# Altium PCB mainBord_real.PcbDoc
Units mil, origin at the board's own origin, x right, y up, seen from the top; angles counter-clockwise.
Board outline 5905.51 x 3937.01 mil, 2 copper layers (Top Layer, Bottom Layer); 93 components, 76 nets, 407 pads, 363 vias.
Unrouted connection lines stored in the file: 1.
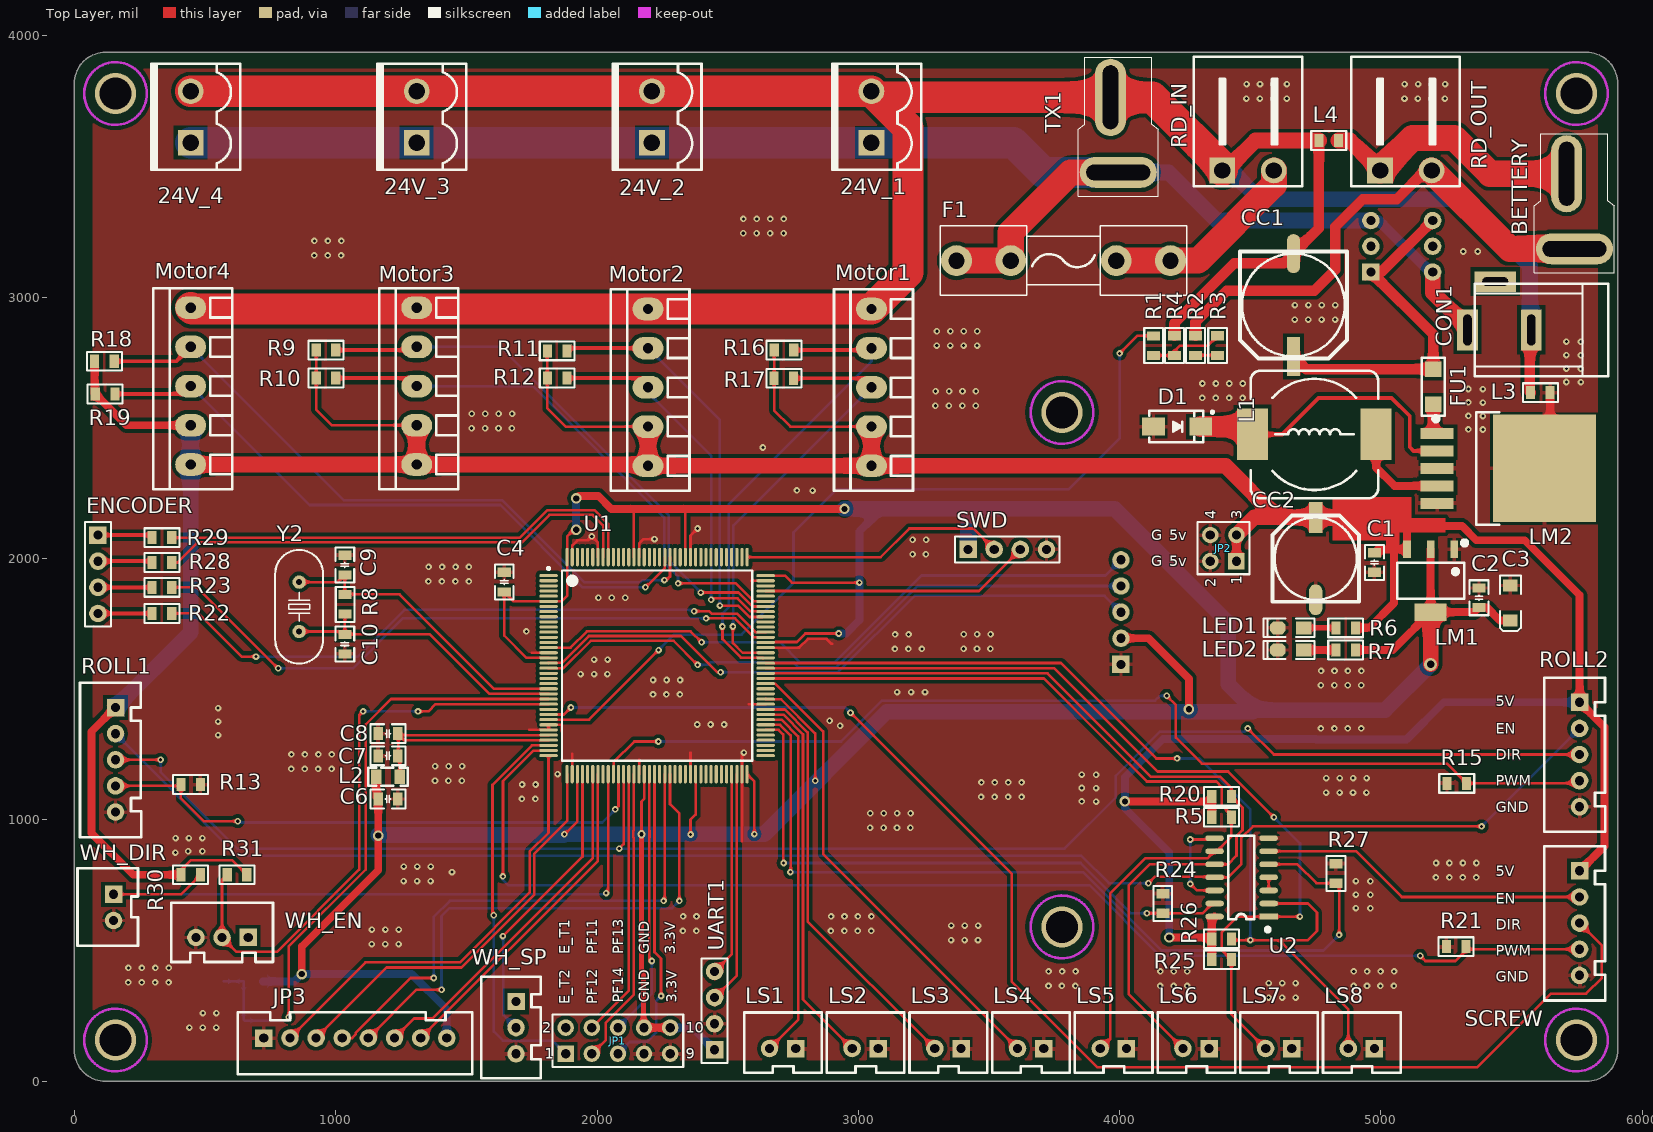
[diagram p0: Top Layer view]
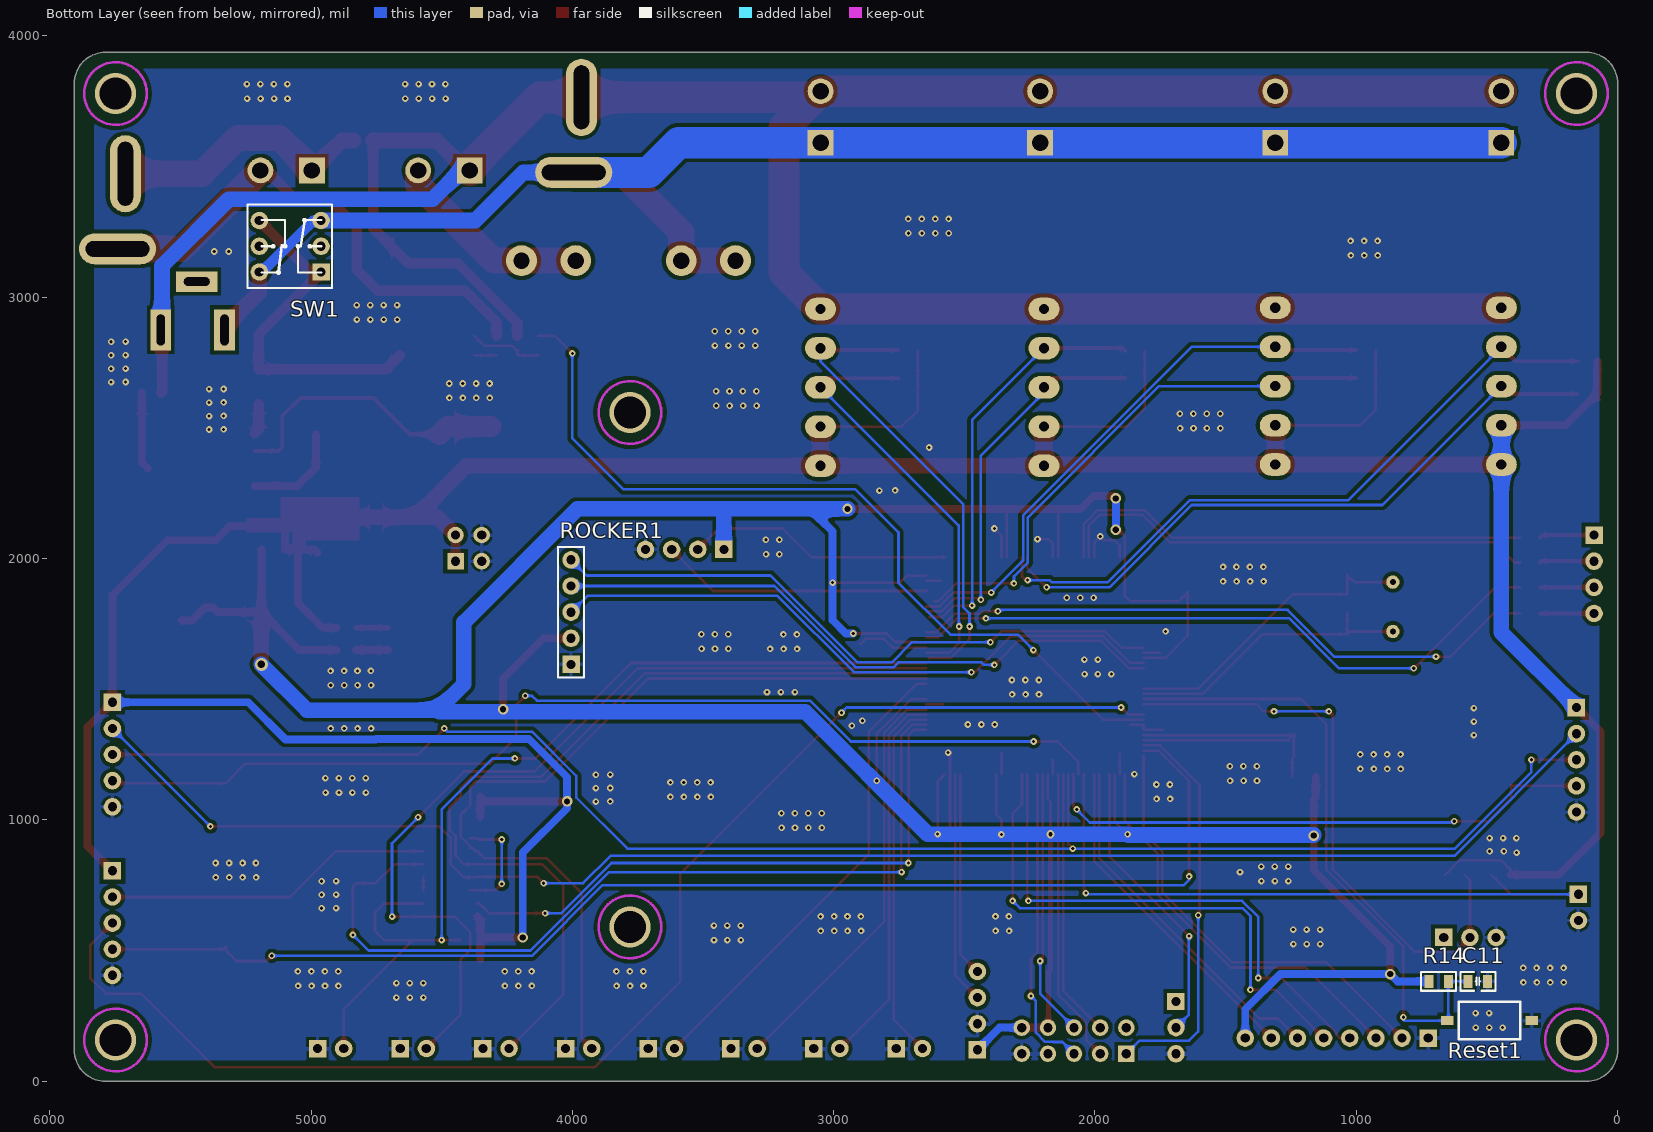
[diagram p1: Bottom Layer view, seen from below]

## Layer stack, top to bottom
Top Solder: solder mask 0.4, Solder Resist, Dk 3.5
Top Layer: signal copper 1.4
Dielectric 1: dielectric 12.6, FR-4, Dk 4.8
Bottom Layer: signal copper 1.4
Bottom Solder: solder mask 0.4, Solder Resist, Dk 3.5

## Board outline
118.11,0 cw(c118.11,118.11) 0,118.11 0,3818.9 cw(c118.11,3818.9) 118.11,3937.01 5787.4,3937.01 cw(c5787.4,3818.9) 5905.51,3818.9 5905.51,118.11 cw(c5787.4,118.11) 5787.4,0

## Design rules (kind name [scope] priority, off if disabled: settings)
Clearance Clearance_1 [InNet('GND')] p1: gap=15 ignorepadtopadclearanceinfootprint=TRUE except(0: Arc-Hole Track-Hole SMDPad-Hole THPad-Hole Via-Hole Fill-Hole Poly-Hole Region-Hole Text-Hole; 8: Arc-Arc Arc-Track Arc-SMDPad Track-Track Track-SMDPad; 10: Arc-THPad Arc-Text Track-THPad Track-Text SMDPad-SMDPad SMDPad-THPad SMDPad-Via SMDPad-Text THPad-THPad THPad-Via THPad-Text Via-Via Via-Text Fill-Text Poly-Text Region-Text Text-Text)
Clearance [All] p2: gap=10 ignorepadtopadclearanceinfootprint=TRUE except(0: Arc-Hole Track-Hole SMDPad-Hole THPad-Hole Via-Hole Fill-Hole Poly-Hole Region-Hole Text-Hole; 8: Arc-Arc Arc-Track Arc-SMDPad Track-Track Track-SMDPad; 15: Arc-Fill Arc-Poly Arc-Region Track-Fill Track-Poly Track-Region)
HoleSize [All] p1: absolutevalues=TRUE maxlimit=200 minlimit=1 maxpercent=80.000 minpercent=20.000
MinimumSolderMaskSliver [All] p1: minsoldermaskwidth=7
PolygonConnect [All] p1: thpad.connectstyle=Relief thpad.reliefconductorwidth=15 thpad.reliefentries=4 thpad.polygonreliefangle="90 Angle" thpad.airgapwidth=10 smdpad.connectstyle=Relief smdpad.reliefconductorwidth=15 smdpad.reliefentries=4 smdpad.polygonreliefangle="90 Angle" smdpad.airgapwidth=10 via.connectstyle=Direct via.reliefconductorwidth=10 via.reliefentries=4 via.polygonreliefangle="90 Angle" via.airgapwidth=10
RoomDefinition mainBord_real [InComponentClass('mainBord_real')] p1 off: confinementstyle=ConfineIn formatcopy=TRUE lockcomponents=FALSE outline 6820,57.6 13595,57.6 13595,3285 6820,3285
RoutingVias [All] p1: holewidth=12 width=25 viastyle="Through Hole" minholewidth=8 minwidth=20 maxholewidth=24 maxwidth=40
SilkToSilkClearance [All] p1 off: silktosilkclearance=10
SilkToSolderMaskClearance [IsPad] p1 off: minsilkscreentomaskgap=10 clearancetoexposedcopper=TRUE
SolderMaskExpansion [All] p1: expansion=4
Width High_P [InNetClass('High_Power')] p1: maxlimit=120 minlimit=40 preferedwidth=80 minimp=50.000000 maximp=50.000000 favimp=50.000000
Width 3.3V [InNetClass('Low_Power')] p2: maxlimit=60 minlimit=10 preferedwidth=30 minimp=50.000000 maximp=50.000000 favimp=50.000000
Width [All] p3: maxlimit=80 minlimit=10 preferedwidth=15 minimp=50.000000 maximp=50.000000 favimp=50.000000
26 further rules are at their usual default settings.

## Classes and differential pairs
net class Low_Power: 3.3V 5V GND
net class High_Power: 24V NetF1_1 PGND VIN+ VIN- VIN_24
polygon class PolygonClass_1: GND_L02_P007

## Components (designator, comment, footprint, x,y, rotation, side; value= is the part's Value field where it differs from the comment)
24V_1 "HDR-1X2" KF2EDGK5.0-LI-2P 3050,3690 r90 top
24V_2 "HDR-1X2" KF2EDGK5.0-LI-2P 1310,3690 r90 top
24V_3 "HDR-1X2" KF2EDGK5.0-LI-2P 2210,3690 r90 top
24V_4 "HDR-1X2" KF2EDGK5.0-LI-2P 445,3690 r90 top
BETTERY "TX" TX 5612.05,3625.94 r0 top
C1 "100nf" "C 0805_L" 4975,1985 r270 top value=100nF
C2 "100nf" "C 0805_L" 5375,1850 r90 top value=100nF
C3 "10uf" "CD A(3216)" 5495,1830 r90 top value=10uF
C4 "100nf" "C 0805_L" 1645,1910 r270 top value=100nF
C6 "100nf" "C 0805_L" 1200,1080 r0 top value=100pF
C7 "100nf" "C 0805_L" 1200,1330 r180 top value=100nF
C8 "100nf" "C 0805_L" 1200,1245 r180 top value=100nF
C9 "22pf" "C 0805_L" 1035,1975 r270 top value=22pF
C10 "22pf" "C 0805_L" 1035,1672.4 r90 top value=22pF
C11 "100nf" "C 0805_L" 535,382 r0 bottom value=100nF
CC1 "680uf" "CM F(10*10.2)" 4665,2970 r270 top
CC2 "220uf" "CM E(8*10.2)" 4750,2000 r90 top
CON1 "5.5*2.1" DC-005 5575,2875 r0 top
D1 "SS14" SMA 4220,2505 r0 top
ENCODER "HDR-1X4" HDR2.54-LI-4P 90,1940 r270 top
F1 "5x20/2A" "FU 5x20" 3785,3140 r180 top
FU1 "200mA" "R 1206-HP_M" 5200,2657.5 r270 top
JP1 "Header 5X2" HDR2.54-LI-2x5P 2080,155 r0 top
JP2 "Header2X2" HDR2.54-LI-2x2P 4396.99,2040 r90 top
JP3 "HDR-1X8" XH2.54-LI-8P 1075,165 r0 top
L1 "Inductor" CDRH125 4745,2475 r0 top value=33uH
L2 "Inductor" "L 0805" 1200,1165 r0 top value=4.7uH
L3 "1K" "R 0805_L" 5610,2635 r180 top value=0R
L4 "1K" "R 0805_L" 4800,3600 r0 top value=0R
LED1 "LED2" "LED 0805B" 4655,1735 r180 top
LED2 "LED2" "LED 0805B" 4655,1650 r180 top
LM1 "AMS1117-3V3" SOT223_L 5190,1915 r180 top
LM2 "LM2596-5.0V" TO263-5A 5215,2345 r270 top
LS1 "HDR-1X2" XH2.54-LI-2P 2710,125 r180 top
LS2 "HDR-1X2" XH2.54-LI-2P 3026.43,125 r180 top
LS3 "HDR-1X2" XH2.54-LI-2P 3342.86,125 r180 top
LS4 "HDR-1X2" XH2.54-LI-2P 3659.29,125 r180 top
LS5 "HDR-1X2" XH2.54-LI-2P 3975.71,125 r180 top
LS6 "HDR-1X2" XH2.54-LI-2P 4292.14,125 r180 top
LS7 "HDR-1X2" XH2.54-LI-2P 4608.57,125 r180 top
LS8 "HDR-1X2" XH2.54-LI-2P 4925,125 r180 top
Motor1 "HDR-1X5" KF128-3.81-5P 3050,2655 r90 top
Motor2 "HDR-1X5" KF128-3.81-5P 2195,2655 r90 top
Motor3 "HDR-1X5" KF128-3.81-5P 1310,2660 r90 top
Motor4 "HDR-1X5" KF128-3.81-5P 445,2660 r90 top
R1 "1K" "R 0805_L" 4130,2814.72 r270 top value=100R
R2 "1K" "R 0805_L" 4290,2815 r90 top value=51K
R3 "1K" "R 0805_L" 4375,2815 r270 top value=5K
R4 "1K" "R 0805_L" 4210,2815 r270 top value=8.2K
R5 "5K" "R 0805_L" 4390,1010 r180 top value=10K
R6 "1K" "R 0805_L" 4865,1735 r0 top
R7 "1K" "R 0805_L" 4865,1650 r0 top
R8 "1M" "R 0805_L" 1036.15,1824.8 r90 top
R9 "1K" "R 0805_L" 962.87,2797.4 r180 top value=10K
R10 "1K" "R 0805_L" 962.87,2690.53 r180 top value=10K
R11 "1K" "R 0805_L" 1847.6,2795 r180 top value=10K
R12 "1K" "R 0805_L" 1847.6,2690.53 r180 top value=10K
R13 "1K" "R 0805_L" 445,1135 r0 top value=10K
R14 "1K" "R 0805_L" 685,382 r0 bottom value=10K
R15 "1K" "R 0805_L" 5290,1140 r180 top value=10K
R16 "1K" "R 0805_L" 2715.47,2797.4 r180 top value=10K
R17 "1K" "R 0805_L" 2714.93,2690 r180 top value=10K
R18 "1K" "R 0805_L" 115,2755 r180 top value=10K
R19 "1K" "R 0805_L" 117.4,2630 r180 top value=10K
R20 "5K" "R 0805_L" 4390,1090 r0 top value=10K
R21 "1K" "R 0805_L" 5287.4,515 r180 top value=10K
R22 "1K" "R 0805_L" 335,1790 r0 top value=10R
R23 "1K" "R 0805_L" 335,1890 r0 top value=10R
R24 "1K" "R 0805_L" 4165,680 r270 top value=10K
R25 "5K" "R 0805_L" 4390,465 r180 top value=10K
R26 "5K" "R 0805_L" 4390,545 r0 top value=10K
R27 "1K" "R 0805_L" 4827.6,795 r270 top value=10K
R28 "1K" "R 0805_L" 335,1985 r0 top value=10R
R29 "1K" "R 0805_L" 335,2080 r0 top value=10R
R30 "1K" "R 0805_L" 445,790 r180 top value=10K
R31 "1K" "R 0805_L" 622.4,790 r0 top value=10K
RD_IN "HDR-1X2" KF2EDGK5.0-WI-2P 4491.5,3485 r0 top
RD_OUT "HDR-1X2" KF2EDGK5.0-WI-2P 5095,3485 r0 top
Reset1 "SW-PB" switch_1 490,232 r180 bottom
ROCKER1 "RK" HDR2.54-M-LI-5P 4005,1795 r90 bottom
ROLL1 "HDR-1X5" XH2.54-LI-5P 157.48,1230 r270 top
ROLL2 "HDR-1X5" XH2.54-LI-5P 5760,1250 r270 top
SCREW "HDR-1X5" XH2.54-LI-5P 5760,605 r270 top
SW1 "KET 8X8" "KFT DIP-8X8" 5079.55,3195 r90 bottom
SWD "HDR-1X4" HDR2.54-LI-4P 3570,2035 r0 top
TX1 "TX" TX 3866.57,3918.54 r0 top
U1 "STM32F103ZET6" STM-LQFP144_N 2229.84,1590.35 r0 top
U2 "74HC08" SOP14_N 4466.74,780 r180 top
UART1 "Header 4" HDR2.54-LI-4P 2450,270 r90 top
WH_DIR "HDR-1X2" XH2.54-LI-2P 150,665 r270 top
WH_EN "HDR-1X3" XH2.54-LI-3P 565,550 r180 top
WH_SP "HDR-1X3" XH2.54-LI-3P 1690,205 r270 top
Y2 "XTAL" "OSC HC-49S" 860,1815.51 r90 top

## Footprints (in the part's own frame and the unit in brackets; to place one, negate y for a bottom-side part, rotate by r counter-clockwise, add the part's x,y. Pads: shape width x height; smd on the part's side, far side on the other; paste and mask are expansions set on the pad)
"C 0805_L" [mil] "无极性贴片电容"
  rect 35x50 smd: 1(-37.4,0) 2(37.4,0)
  silkscreen extent -67,-36 67,36, body extent -39,-24 39,24, height 20
"CD A(3216)" [mm] "长3.2mm，宽1.6mm，厚1.6mm"
  rect 1.2x1.4 smd: 1(-1.7,0) 2(1.7,0)
  silkscreen extent -2.74,-1.02 2.67,1.02, body extent -1.6,-0.8 1.6,0.8, height 1.6
CDRH125 [mm] "12*12*5mm（长宽高）"
  rect 3x5 smd: 1(-6,0) 2(6,0)
  silkscreen extent -6.2,-6.2 6.2,6.2, body extent -6,-6 6,6, height 5.05
"CM E(8*10.2)" [mm] "贴片电解电容，直径8mm，高10.2mm"
  rect 3x1.3 smd: 1(4,0)
  oval 3x1.3 smd: 2(-4,0)
  silkscreen extent -4.2,-4.2 4.2,4.2, body extent -4.5,-4.15 4.5,4.15, height 10.2
"CM F(10*10.2)" [mm] "贴片电解电容，直径10mm，高10.2mm"
  rect 3.8x1.3 smd: 1(5,0)
  oval 3.8x1.3 smd: 2(-5,0)
  silkscreen extent -5.2,-5.2 5.2,5.2, body extent -5.8,-5.15 5.8,5.15, height 10.2
DC-005 [mm] "5.5*2.1mm，DC30V,2.5A"
  rect 2x4 hole 0.8 slot 3 at 90 deg: 1(-6.2,0) 2(0,0)
  rect 4x2 hole 0.8 slot 2.5 at 0 deg: 3(-3.5,4.7)
  silkscreen extent -5.48,-4.5 7.5,4.5, body extent -6.55,-4.5 7.5,4.8, height 11.2
"FU 5x20" [mm] "5*20保险管底座夹子"
  round 3 hole 1.6: 1(-10.4,0) 1(-5.13,0) 2(5.13,0) 2(10.4,0)
  silkscreen extent -12,-3.38 12,3.38, body extent -10.8,-3.15 10.8,3.15, height 9.77
HDR2.54-LI-2x2P [mm] "双排排针，2x2脚"
  rect 1.6x1.6 hole 0.9: 1(-1.27,-1.27)
  round 1.6 hole 0.9: 2(-1.27,1.27) 3(1.27,-1.27) 4(1.27,1.27)
  silkscreen extent -2.54,-2.54 2.54,2.54, body extent -2.54,-2.54 2.54,2.54, height 8.5
HDR2.54-LI-2x5P [mm] "双排排针，5x2脚"
  rect 1.6x1.6 hole 0.9: 1(-5.08,-1.27)
  round 1.6 hole 0.9: 2(-5.08,1.27) 3(-2.54,-1.27) 4(-2.54,1.27) 5(0,-1.27) 6(0,1.27) 7(2.54,-1.27) 8(2.54,1.27) 9(5.08,-1.27) 10(5.08,1.27)
  silkscreen extent -6.35,-2.54 6.35,2.54, body extent -6.35,-2.54 6.35,2.54, height 8.5
HDR2.54-LI-4P [mm] "排针，4脚"
  rect 1.7x1.7 hole 0.9: 1(-3.81,0)
  round 1.7 hole 0.9: 2(-1.27,0) 3(1.27,0) 4(3.81,0)
  silkscreen extent -5.08,-1.27 5.08,1.27, body extent -5.08,-1.27 5.08,1.27, height 8.5
HDR2.54-M-LI-5P [mm] "排母，5脚"
  rect 1.7x1.7 hole 0.9: 1(-5.08,0)
  round 1.7 hole 0.9: 2(-2.54,0) 3(0,0) 4(2.54,0) 5(5.08,0)
  silkscreen extent -6.35,-1.27 6.35,1.27, body extent -6.35,-1.27 6.35,1.27, height 8.5
KF2EDGK5.0-LI-2P [mm] "立插端子"
  rect 2.5x2.5 hole 1.6: 1(-2.5,0)
  round 2.5 hole 1.6: 2(2.5,0)
  silkscreen extent -5.12,-4.83 5.17,3.81, body extent -5.04,-4.75 5.04,3.75, height 11.25
KF2EDGK5.0-WI-2P [mm] "卧插端子"
  rect 2.5x2.5 hole 1.6: 1(-2.5,0)
  round 2.5 hole 1.6: 2(2.5,0)
  silkscreen extent -5.29,-1.52 5.25,11.05, body extent -5.04,-0.5 5.04,10.8, height 8.5
KF128-3.81-5P [mm] "螺钉式接线端子，脚距3.81mm"
  oval 2.2x3 hole 1: 1(-7.62,0) 2(-3.81,0) 3(0,0) 4(3.81,0) 5(7.62,0)
  silkscreen extent -10.03,-4.04 9.53,3.63, body extent -10.02,-3.9 9.53,3.5, height 8.55
"KFT DIP-8X8" [mm] "自锁开关，规格：8*8mm"
  rect 1.7x1.7 hole 0.9: 1(-2.5,-3)
  round 1.7 hole 0.9: 2(0,-3) 3(2.5,-3) 4(2.5,3) 5(0,3) 6(-2.5,3)
  silkscreen extent -4.06,-4.06 4.06,4.15, body extent -3.95,-3.95 4.05,4.05, height 13.1
"L 0805" [mil] "小功率贴片电感"
  rect 40x55 smd: 1(-45,0) 2(45,0)
  silkscreen extent -75,-35 75,35, body extent -39,-24 39,24, height 35
"LED 0805B" [mil] "蓝色0805LED"
  rect 60x50 smd: 1(-50,0)
  oct 60x50 smd: 2(50,0)
  silkscreen extent -90,-35 105,35, body extent -39,-25 39,25, height 32
"OSC HC-49S" [mm]
  round 1.3 hole 0.6: 1(-2.4,0) 2(2.4,0)
  silkscreen extent -5.52,-2.32 5.52,2.33, body extent -5.52,-2.32 5.53,2.33, height 4.13
"R 0805_L" [mil] "1/8W贴片电阻"
  rect 35x50 smd: 1(-37.4,0) 2(37.4,0)
  silkscreen extent -67,-36 67,36, body extent -39,-25 39,25, height 20
"R 1206-HP_M" [mil] "1/4W高精度贴片电阻"
  rect 60x62.99 smd: 1(-67.5,0) 2(67.5,0)
  silkscreen extent -112,-44 112,44, body extent -63,-31 63,32, height 22
SMA [mm] "4.5x2.6*2.2mm（长宽高，不包括引脚）"
  rect 2.2x1.75 smd: 1(-2.3,0) 2(2.3,0)
  silkscreen extent -2.7,-1.52 3.56,1.52, body extent -2.53,-1.3 2.58,1.3, height 2.15
SOP14_N [mm] "8.7*6.2*1.8mm（长宽高）"
  rect 1.8x0.55 smd: 1(-2.625,3.81)
  oval 1.8x0.55 smd: 2(-2.625,2.54) 3(-2.625,1.27) 4(-2.625,0) 5(-2.625,-1.27) 6(-2.625,-2.54) 7(-2.625,-3.81) 8(2.625,-3.81) 9(2.625,-2.54) 10(2.625,-1.27) 11(2.625,0) 12(2.625,1.27) 13(2.625,2.54) 14(2.625,3.81)
  silkscreen extent -2.67,-4.06 1.31,5.21, body extent -3,-4.35 3,4.35, height 1.9
SOT223_L [mm] "6.4x7x1.6mm(长宽高)"
  rect 0.75x1.7 smd: 1(-2.3,-3.048) 2(0,-3.048) 3(2.3,-3.048)
  rect 3.1x1.7 smd: 2(0,3.048)
  silkscreen extent -3.5,-3.88 3.25,1.75, body extent -3.25,-3.51 3.25,3.51, height 1.65
STM-LQFP144_N [mm] "Thin QFP, 144-Leads, Body 20x20mm, Pitch 0.5mm, IPC Medium Density"
  oval 1.8x0.3 smd: 1(-10.55,8.75) 2(-10.55,8.25) 3(-10.55,7.75) 4(-10.55,7.25) 5(-10.55,6.75) 6(-10.55,6.25) 7(-10.55,5.75) 8(-10.55,5.25) 9(-10.55,4.75) 10(-10.55,4.25) 11(-10.55,3.75) 12(-10.55,3.25) 13(-10.55,2.75) 14(-10.55,2.25) 15(-10.55,1.75) 16(-10.55,1.25) 17(-10.55,0.75) 18(-10.55,0.25) 19(-10.55,-0.25) 20(-10.55,-0.75) 21(-10.55,-1.25) 22(-10.55,-1.75) 23(-10.55,-2.25) 24(-10.55,-2.75) 25(-10.55,-3.25) 26(-10.55,-3.75) 27(-10.55,-4.25) 28(-10.55,-4.75) 29(-10.55,-5.25) 30(-10.55,-5.75) 31(-10.55,-6.25) 32(-10.55,-6.75) 33(-10.55,-7.25) 34(-10.55,-7.75) 35(-10.55,-8.25) 36(-10.55,-8.75) 73(10.55,-8.75) 74(10.55,-8.25) 75(10.55,-7.75) 76(10.55,-7.25) 77(10.55,-6.75) 78(10.55,-6.25) 79(10.55,-5.75) 80(10.55,-5.25) 81(10.55,-4.75) 82(10.55,-4.25) 83(10.55,-3.75) 84(10.55,-3.25) 85(10.55,-2.75) 86(10.55,-2.25) 87(10.55,-1.75) 88(10.55,-1.25) 89(10.55,-0.75) 90(10.55,-0.25) 91(10.55,0.25) 92(10.55,0.75) 93(10.55,1.25) 94(10.55,1.75) 95(10.55,2.25) 96(10.55,2.75) 97(10.55,3.25) 98(10.55,3.75) 99(10.55,4.25) 100(10.55,4.75) 101(10.55,5.25) 102(10.55,5.75) 103(10.55,6.25) 104(10.55,6.75) 105(10.55,7.25) 106(10.55,7.75) 107(10.55,8.25) 108(10.55,8.75)
  oval 0.3x1.8 smd: 37(-8.75,-10.55) 38(-8.25,-10.55) 39(-7.75,-10.55) 40(-7.25,-10.55) 41(-6.75,-10.55) 42(-6.25,-10.55) 43(-5.75,-10.55) 44(-5.25,-10.55) 45(-4.75,-10.55) 46(-4.25,-10.55) 47(-3.75,-10.55) 48(-3.25,-10.55) 49(-2.75,-10.55) 50(-2.25,-10.55) 51(-1.75,-10.55) 52(-1.25,-10.55) 53(-0.75,-10.55) 54(-0.25,-10.55) 55(0.25,-10.55) 56(0.75,-10.55) 57(1.25,-10.55) 58(1.75,-10.55) 59(2.25,-10.55) 60(2.75,-10.55) 61(3.25,-10.55) 62(3.75,-10.55) 63(4.25,-10.55) 64(4.75,-10.55) 65(5.25,-10.55) 66(5.75,-10.55) 67(6.25,-10.55) 68(6.75,-10.55) 69(7.25,-10.55) 70(7.75,-10.55) 71(8.25,-10.55) 72(8.75,-10.55) 109(8.75,10.55) 110(8.25,10.55) 111(7.75,10.55) 112(7.25,10.55) 113(6.75,10.55) 114(6.25,10.55) 115(5.75,10.55) 116(5.25,10.55) 117(4.75,10.55) 118(4.25,10.55) 119(3.75,10.55) 120(3.25,10.55) 121(2.75,10.55) 122(2.25,10.55) 123(1.75,10.55) 124(1.25,10.55) 125(0.75,10.55) 126(0.25,10.55) 127(-0.25,10.55) 128(-0.75,10.55) 129(-1.25,10.55) 130(-1.75,10.55) 131(-2.25,10.55) 132(-2.75,10.55) 133(-3.25,10.55) 134(-3.75,10.55) 135(-4.25,10.55) 136(-4.75,10.55) 137(-5.25,10.55) 138(-5.75,10.55) 139(-6.25,10.55) 140(-6.75,10.55) 141(-7.25,10.55) 142(-7.75,10.55) 143(-8.25,10.55) 144(-8.75,10.55)
  silkscreen extent -10.67,-9.25 9.25,9.57, body extent -10,-10 10,10, height 1.6
switch_1 [mm]
  rect 1.2x0.9 smd: 1(-4.1,0) 2(4.1,0)
  silkscreen extent -3,-1.8 3,1.82
TO263-5A [mm] "263，5脚晶体管"
  rect 1.05x3.2 smd: 1(-3.4,0) 2(-1.7,0) 3(0,0) 4(1.7,0) 5(3.4,0)
  rect 10.45x10 smd: 3(0,10.414)
  silkscreen extent -5.46,-0.33 5.46,6.04, body extent -5,-0.01 5,13.32, height 4.5
TX [mm] "T型接头"
  oval 3x7.5 hole 1.5 slot 6.2 at 90 deg: 1(2.5,-3.9)
  oval 7.5x3 hole 1.5 slot 6.2 at 0 deg: 2(3.25,-11.2)
  silkscreen extent -0.65,-13.5 7.15,0, body extent -0.55,-13.4 7.05,-0.1, height 10.2
XH2.54-LI-2P [mm] "接插件，2P"
  rect 1.7x1.7 hole 0.9: 1(-1.27,0)
  round 1.7 hole 0.9: 2(1.27,0)
  silkscreen extent -3.81,-3.51 3.74,2.37, body extent -3.77,-3.3 3.77,2.4, height 7.05
XH2.54-LI-3P [mm] "接插件，3P"
  rect 1.7x1.7 hole 0.9: 1(-2.54,0)
  round 1.7 hole 0.9: 2(0,0) 3(2.54,0)
  silkscreen extent -4.95,-3.38 4.93,2.39, body extent -5.04,-3.3 5.04,2.4, height 7.03
XH2.54-LI-5P [mm] "接插件，5P"
  rect 1.7x1.7 hole 0.9: 1(-5.08,0)
  round 1.7 hole 0.9: 2(-2.54,0) 3(0,0) 4(2.54,0) 5(5.08,0)
  silkscreen extent -7.48,-3.45 7.52,2.49, body extent -7.58,-3.3 7.58,2.4, height 7.03
XH2.54-LI-8P [mm] "接插件，8P"
  rect 1.7x1.7 hole 0.9: 1(-8.89,0)
  round 1.7 hole 0.9: 2(-6.35,0) 3(-3.81,0) 4(-1.27,0) 5(1.27,0) 6(3.81,0) 7(6.35,0) 8(8.89,0)
  silkscreen extent -11.43,-3.5 11.36,2.5, body extent -11.39,-3.3 11.39,2.4, height 7.05

## Part data
24V_1 24V_2 24V_3 24V_4 LS1 LS2 LS3 LS4 LS5 LS6 LS7 LS8 RD_IN RD_OUT WH_DIR: library part "Header 2", "2P接插件", BOM名称=2P接, 学习资源=www.ooocke.
BETTERY TX1: library part T型插头
C1 C2 C4 C6 C7 C8 C9 C10 C11: library part Cap, "Capacitor", LatestRevisionDate=17-Jul-2002, LatestRevisionNote="Re-released for DXP Platform.", PackageDescription="Radial Cap, Thru-Hole; 2 Leads; 0.3 in Pin Spacing", PackageReference=RAD-0.3, Published=8-Jun-2000, Publisher="Altium Limited"
C3: library part "Cap Pol2", "Polarized Capacitor (Axial)", LatestRevisionDate=17-Jul-2002, LatestRevisionNote="Re-released for DXP Platform.", PackageDescription="Polarized Capacitor; 2 Leads", PackageReference=POLAR0.8, Published=8-Jun-2000, Publisher="Altium Limited"
CC1 CC2: library part CAP-T, "贴片铝解电容"
CON1: library part DC-005P, "带屏蔽DC电源接口", BOM名称=带屏蔽DC, 学习资源=www.ooocke.
D1: "肖特基二极管"
ENCODER SWD: library part "Header 4", "4P接插件", BOM名称=4P接, 学习资源=www.ooocke.
F1: library part "FU DIP", "直插保险丝"
FU1: library part FUSE
JP1: "5*2P接插件"
JP2: library part "Header 2X2", "2*2P接插件"
JP3: library part "Header 8", "8P接插件", BOM名称=8P接, 学习资源=www.ooocke.
L1: Manufacturer="Generic Components", Class=Passive, Published=08/06/2000, Publisher="Altium Hobart Technology Centre", SubClass=Inductor
L3 L4 R1 R2 R3 R4 R5 R6 R7 R8 R9 R10 R11 R12 R13 R14 R15 R16 R17 R18 R19 R20 R21 R22 R23 R24 R25 R26 R27 R28 R29 R30 R31: library part Res2, "Resistor", LatestRevisionDate=17-Jul-2002, LatestRevisionNote="Re-released for DXP Platform.", PackageDescription="Axial Device, Thru-Hole; 2 Leads; 0.4 in Pin Spacing", PackageReference=AXIAL-0.4, Published=8-Jun-2000, Publisher="Altium Limited"
LED1 LED2: "Typical RED, GREEN, YELLOW, AMBER GaAs LED", LatestRevisionDate=17-Jul-2002, LatestRevisionNote="Re-released for DXP Platform.", PackageDescription="SM LED; 2 Flat Leads", PackageReference=3.2X1.6X1.1, PackageVersion=Feb-2002, Published=8-Jun-2000, Publisher="Altium Limited"
LM1: library part AMS1117, "三端稳压芯片", BOM名称=ÎÈÑ, 学习资源=www.ooocke.
LM2: library part LM2596-5.0, "DC降压芯片", BOM名称=DCÎÈÑ, 学习资源=www.ooocke.
Motor1 Motor2 Motor3 Motor4 ROLL1 ROLL2 SCREW: library part "Header 5", "5P接插件"
  ROLL1 ROLL2 SCREW: BOM名称=5P接, 学习资源=www.ooocke.
Reset1: "Switch", LatestRevisionDate=17-Jul-2002, LatestRevisionNote="Re-released for DXP Platform.", PackageDescription="Switch; 2 Leads", PackageReference=SPST-2, Published=24-Mar-1999, Publisher="Altium Limited"
ROCKER1: library part MHDR1X5, "Header, 5-Pin", LatestRevisionDate=17-Jul-2002, LatestRevisionNote="Re-released for DXP Platform.", Publisher="Altium Limited"
SW1: "8*8自锁开关"
U1: "ARM Cortex-M3 32-bit MCU, 512 KB Flash, 64 KB Internal RAM, 112 I/Os, 144-pin LQFP, -40 to 85 degC, Tray", I/Os (High Current)=112, Operating Frequency(F) (Processor speed) (MHz)=72, Supplier Part Number 1=497-6442-ND, Supply Voltage(Vcc) min (V)=2, A/D Converter="3x12-bit (21 Channel)", ComponentLink1Description="Manufacturer URL", ComponentLink1URL=http://www.st.com/web/en/home.html, ComponentLink2Description=Datasheet, ComponentLink2URL=http://www.st.com/st-web-ui/static/active/en/resource/technical/document/datasheet/CD00191185.pdf, ComponentLink3Description="Package Specification", ComponentLink3URL=http://www.st.com/st-web-ui/static/active/en/resource/technical/document/datasheet/DM00037051.pdf, Core="ARM Cortex-M3", D/A Converter="2x12-bit (2 Channel)", DatasheetVersion="Rev. 8", FLASH Size (Prog) (kB)=512, Internal RAM Size (kB)=64, Mounting Technology="Surface Mount", PackageDescription="144-Pin Low Profile Quad Flat Package, 20 x 20 mm Body, 0.5 mm Pitch", PackageReference=LQFP144, PackageVersion="Rev. 4, 06/2013", Packing=Tray, PartNumber=STM32F103ZET6, Supplier 1=Digi-Key, Supplier 2=Farnell, Supplier 3=Newark, Supplier 4=Mouser, Supplier Part Number 2=1624145, Supplier Part Number 3=57P1270, Supplier Part Number 4=511-STM32F103ZET6
UART1: "Header, 4-Pin", LatestRevisionDate=17-Jul-2002, LatestRevisionNote="Re-released for DXP Platform.", Publisher="Altium Limited"